# Altium PCB Printing.PcbDoc (part 3 of 5) (continued)
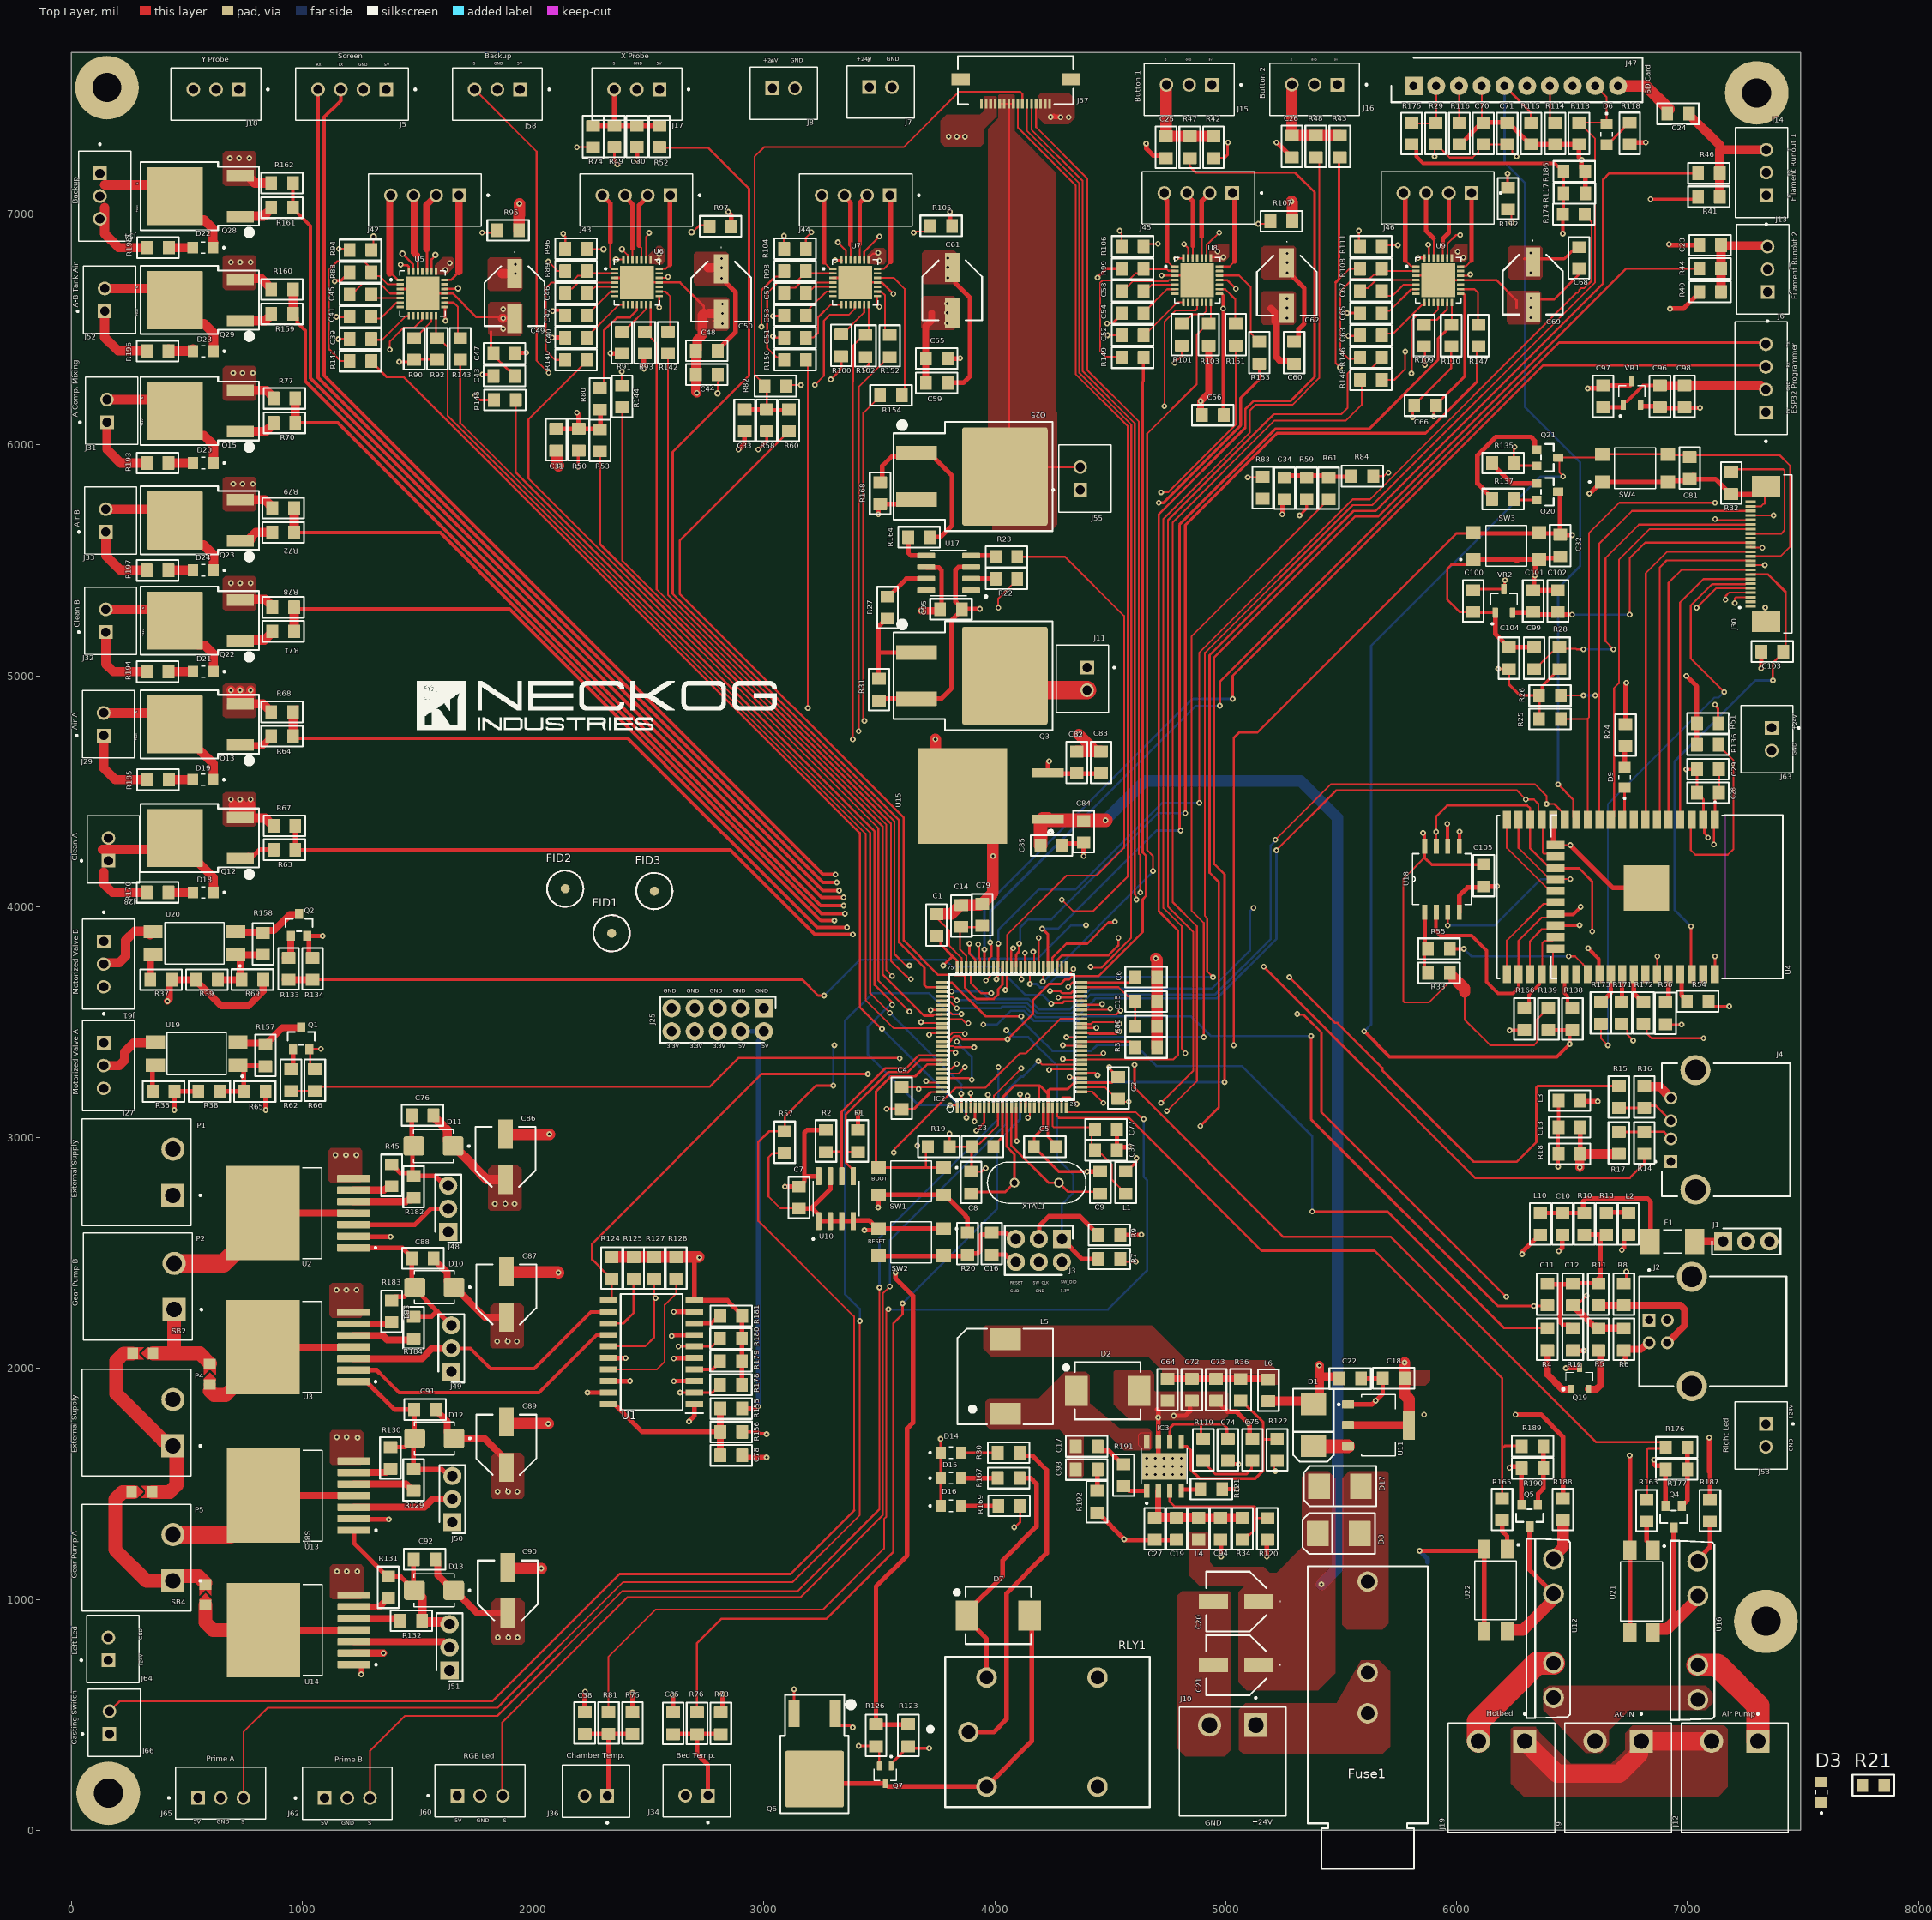
[diagram p0: Top Layer view]
## Nets (pads, with @x,y where several pads share a name; then routed paths per layer and width w, separated by ;. In a path a pad name is that pad's centre, name@x,y a point inside that pad or via, vN(x,y) a via of type N, cw(c..) or ccw(c..) an arc to the next point about the centre after c; other vN are vias at no path point) (continued)
  Top Layer w30: C59.2@3701.17,6269.33 C55.2@3701.17,6374.33 3701.17,6515.32 3726.62,6540.77 3726.62,6572.27 ; C56.2@4897.17,6129.33 4891.41,6135.09 v1(4891.41,6189.33) 4926.41,6224.33 R103.2@4926.41,6431.09 ; 5195.71,6592.27 5212.2,6575.77 5212.2,6533.91 5219.41,6526.7 5219.41,6381.25 5236.98,6363.68 5285.82,6363.68 C60.2@5296.41,6353.09
  Top Layer w40: v1(691,4937) 692.42,4935.58 692.42,4883.59 697.02,4878.98 Q13.3@731.47,4878.98 ; 701,4441.96 702.42,4440.54 702.42,4388.55 707.02,4383.94 Q12.3@741.47,4383.94 ; v1(731,4937) 731,4879.45 Q13.3@731.47,4878.98 ; Q29.3@731.47,6717.08 736.08,6721.68 805.69,6721.68 806,6722 821.2,6722 865.33,6677.87 R160.2@865.33,6673.93 ; Q28.3@731.47,7167.39 765.92,7167.39 770.53,7162.79 770.53,7158.31 793.96,7134.87 R162.2@865.33,7134.87 ; Q22.3@736.47,5328.5 739.98,5332 839.43,5332 870.33,5301.09 R78.2@870.33,5297.16 ; Q23.3@736.47,5762.63 838.6,5762.63 870.33,5730.9 R79.2@870.33,5726.96 ; 741,4441.96 741,4384.41 Q12.3@741.47,4383.94 ; Q15.3@741.47,6236.38 844.77,6236.38 875.33,6205.82 R77.2@875.33,6201.88 ; 775.92,4443.4 Q12.3@775.92,4383.94 ; v1(776,4937) 776,4923.51 770.53,4918.03 770.53,4883.59 Q13.3@765.92,4878.98 ; R68.2@865.33,4843.69 865.33,4847.63 859.74,4853.22 855.8,4853.22 830.04,4878.98 Q13.3@765.92,4878.98 ; R67.2@875.33,4348.65 875.33,4352.59 869.74,4358.18 865.8,4358.18 840.04,4383.94 Q12.3@775.92,4383.94 ; D13.A@1486.09,1038.83 1489.43,1038.83 1519.51,1008.75 R132.1@1519.51,906.98 1519.51,906.82 1525.1,901.23 1642.15,901.23 J51.3@1647.9,895.48 ; v1@1866.86,6548.33 v1(1870.37,6548.33) ; v1(2710,6225) 2705.17,6229.83 C44.2@2705.17,6305.33 C48.2@2705.17,6408.33 2710.76,6413.92 2710.76,6454.68 2732.41,6476.33 2732.41,6562.9 2739.41,6569.9 ; 2762.86,6570.33 v1(2820.41,6570.33) ; v1(6533.35,2871.53) 6533.35,2927.1 R18.1@6536.24,2930 ; R18.1@6557.37,2929.88 6702.88,2929.88 R17.1@6703,2929.76 ; R16.1@6813,3223.24 6816.24,3220 6879.76,3220 J4.04@6928.31,3171.46 ; C96.2@6881.2,6257.72 6881.57,6257.34 C98.1@6986.85,6257.34 ; C98.1@6987.22,6257.72 7317.04,6257.72 7334.76,6240 J6.2@7340,6240 ; Q13.3@731.47,4878.98 Q13.3@765.92,4878.98 ; Q12.3@741.47,4383.94 Q12.3@775.92,4383.94
  Top Layer w50: SB2.1@265.12,2064.41 SB2.1@265.71,2065 ; P4.1@394.8,1690.2 414.8,1690.2 P4.1@455,1650 ; C86.2@1879.78,3014.82 2069.82,3014.82 v1(2070,3015) ; C87.2@1892.78,2417.82 2107.18,2417.82 v1(2110,2415) ; C89.2@1895.78,1760.82 2064.18,1760.82 v1(2065,1760) ; C90.2@1896.78,1133.82 v1(2035.76,1133.82) ; R95.1@1938.65,6930.33 1938.65,6995 1940,6996.35 v1(1940,7045) ; C31.2@2096.06,5975.51 C31.2@2100,5975.51 2103.94,5975.51 2104.53,5974.92 2104.53,5915.47 v1(2110,5910) ; R124.1@2340,2482.24 R125.1@2435,2482.24 R127.1@2525,2482.24 R128.1@2620,2482.24 v1@2717.76,2482.24 ; v1(3741.97,4725) 3741.97,4597.95 U15.3@3859.92,4480 3991.97,4347.95 v1(3991.97,4220) 3991.97,4059.21 3949.53,4016.77 3949.53,4012.83 3948.94,4012.24 C79.1@3945,4012.24 3941.06,4012.24 3936.06,4007.24 C14.1@3855,4007.24 3851.06,4007.24 3812.15,3968.33 3747.34,3968.33 C1.2@3746.75,3967.74 ; C82.1@4355,4672.24 C83.1@4460,4672.24 4459.41,4672.83 4437.17,4672.83 v1(4365,4745) ; v1(4696.75,3776.5) 4702.42,3770.83 C6.2@4702.42,3695.5 C15.1@4702.42,3588.86 4702.33,3588.77 4702.33,3390.09 R3.2@4702.24,3390 ; v1(5285,7055) 5288.41,7051.59 R107.1@5288.41,6969.33 ; J47.10@6699.56,7555.28 6819.72,7555.28 C24.2@6920.9,7454.1
  Top Layer w60: SB2.1@265.12,2064.41 226.65,2064.41 195,2032.76 195,1890 P4.1@394.8,1690.2 ; SB4.1@349.29,1465 425.71,1465 455,1494.29 P4.1@455,1650
  Bottom Layer w20: v1(5840,1210) 5875,1175 5875,1160
  other v1: 2720,2480 691,4465 731,4465 776,4465 691,5402 731,5402 776,5402 701,5832 741,5832 786,5832 701,6312 741,6312 786,6312 1870.37,6503.33 2820.41,6525.33 3793.41,6527.33 5265.41,6549.33 6321.5,6551.33 3793.41,6572.33 1870.37,6588.33 5265.41,6594.33 6321.5,6596.33 2820.41,6610.33 3793.41,6612.33 5265.41,6634.33 6321.5,6636.33 691,6792 731,6792 776,6792 686,7242 726,7242 771,7242 3800,7335 3870,7335
  other v2: 4657.7,1540.77 4695.1,1540.77 4732.5,1540.77 4769.9,1540.77 4807.3,1540.77 4657.7,1576.2 4695.1,1576.2 4769.9,1576.2 4807.3,1576.2 4657.7,1611.63 4695.1,1611.63 4732.5,1611.63 4769.9,1611.63 4807.3,1611.63
HEATER: IC2.4 R22.1 | length 2926.3
  Top Layer w8: v1(3895,3192) 3895.23,3191.77 3895.23,3130.1 IC2.4@3895.45,3129.87 ; v1(4015,5295) 4015,5334.82 4097.24,5417.06 R22.1@4097.24,5421
  Top Layer w10: IC2.4@3895.45,3129.87 IC2.4@3896.1,3130.52
  24V w8: v1(3895,3192) 3937,3150 4260,3150 4347.45,3237.45 4347.45,3660.78 4316.5,3691.73 4316.5,3813.27 4318.5,3815.27 4318.5,4131.5 4015,4435 v1(4015,5295)
HEATER2: IC2.35
HOTBED: IC2.23 R165.2 R189.1 | length 3121.6
  Top Layer w10: IC2.23@4269.47,3129.87 4269.47,3092.88 4277.34,3085 4580,3085 5155,2510 5645,2510 6197,1958 6197,1576.28 ; R165.2@6197,1436.49 6197,1651.28 6208.72,1663 ; 6208.72,1665 6279.76,1665 R189.1@6281.76,1663
HOTEND: J55.2 J57.9 J57.10 J57.11 J57.12 Q25.TAB | length 2022.9
  Top Layer w8: Q25.TAB@4043.86,5863.64 4060.47,5880.25 4084.43,5904.21 J55.2@4370,5904.21
  Top Layer w10: J57.12@4021.1,7477.64 J57.11@4040.79,7477.64 J57.10@4060.47,7477.64 ; Q25.TAB@4043.86,5863.64 4060.47,5880.25 J57.10@4060.47,7477.64 ; J57.9@4080.16,7477.64 J57.10@4060.47,7477.64
HS2_DATA0: U4.24 | length 115
  Top Layer w8: U4.24@6417.91,3705.79 6417.91,3805.91 U4.24@6428.43,3816.43
HS2_DATA1: U4.26
I2C_SCL: IC2.92 R2.1 U10.6 | length 880.2
  Top Layer w10: R2.1@3268.33,2940.07 3336.32,2940.07 ; U10.6@3336.75,2832.74 3336.75,2940.5 3336.32,2940.07 ; IC2.92@3767.5,3356.25 3671.25,3356.25 3615,3300 3525,3300 3336.32,3111.32 3336.32,2940.07
I2C_SDA: IC2.93 R1.1 U10.5 | length 845.9
  Top Layer w10: U10.5@3386.75,2832.74 3386.75,2859.71 3353.75,2892.71 3353.75,2940.5 ; R1.1@3406.75,2938.26 3355.99,2938.26 3353.75,2940.5 ; IC2.93@3767.5,3336.56 3676.56,3336.56 3623,3283 3538,3283 3353.75,3098.75 3353.75,2940.5
IN22: IC2.52 R127.2 U1.15 | length 3872.6
  Top Layer w8: U1.15@2327,2095.26 2485.26,2095.26 2525,2135 v1@2525,2310 ; R127.2@2525,2387.76 v1@2525,2310 ; v1(2530,2305) v1@2525,2310 ; IC2.52@4289.15,3740.11 4291.45,3737.81 4291.45,3712.01 4297.98,3705.48 4312.86,3705.48 4319.69,3705.48 4340,3725.79 v1(4340,3730)
  24V w8: v1(2530,2305) 4330,2305 4425,2400 4425,3205 4400,3230 4400,3680 4376.63,3703.37 4366.63,3703.37 v1(4340,3730)
INH11: J48.2 U1.16 U2.3 | length 1547.9
  Top Layer w20: U2.3@1221.91,2622.68 1487.68,2622.68 1556.98,2691.98 J48.2@1632.27,2691.98 ; U1.16@2327,2045.26 2327.13,2045.13 2399.87,2045.13 v1(2400,2045)
  5v/3.3V w20: J48.2@1632.27,2691.98 1753.02,2691.98 v1(2400,2045)
INH12: J49.2 U1.12 U3.3 | length 1261.1
  Top Layer w10: U1.12@2327,2245.26 U1.12@2327.5,2245.77
  Top Layer w15: J49.2@1645.93,2086.46 1728.54,2086.46 1815,2000 2005,2000 2250.26,2245.26 U1.12@2327,2245.26
  Top Layer w30: U3.3@1222.31,2042.37 1517.66,2042.37 1561.56,2086.27 1645.73,2086.27 J49.2@1645.93,2086.46
INH21: J50.2 U1.7 U13.3 | length 2084.4
  Top Layer w20: 1368.27,1399.06 1369.27,1400.06 ; v1(2600,2140) 2605.26,2145.26 U1.7@2699.04,2145.26
  Top Layer w30: U13.3@1223.88,1399.06 1368.27,1399.06 1529.35,1399.06 1564.39,1434.1 J50.2@1650.26,1434.1
  5v/3.3V w15: J50.2@1650.26,1434.1 2404.1,1434.1 2555,1585 2555,2095 v1(2600,2140)
INH22: J51.2 U1.3 U14.3 | length 2399
  Top Layer w20: 1396.27,816.98 1402.27,810.98 ; v1@2615.02,1944.27 2616.02,1945.26 U1.3@2699.04,1945.26
  Top Layer w30: U14.3@1223.88,816.98 1396.27,816.98 1613.21,816.98 1634.71,795.48 J51.2@1647.9,795.48
  5v/3.3V w15: J51.2@1638,792 2182,792 2609.02,1219.02 v1(2609.02,1944.27)
LED: IC2.9 J57.8 | length 4957
  Top Layer w8: IC2.9@3993.88,3129.87 3996.18,3132.17 3996.18,3181.18 v1(4115,3300) ; J57.8@4099.84,7477.64 4099.84,7375.16 4350,7125 4350,6307.57 4575,6082.57 4575,4130 4425,3980 4340,3980 v1(4290,4030)
  24V w8: v1(4115,3300) 4215,3400 4215,3480 4298,3563 4298,3640.15 4294.69,3643.46 4294.69,3743.84 4271.5,3767.03 4271.5,3911.08 4290,3929.58 v1(4290,4030)
LED1: D9.K U4.9 | length 142.5
  Top Layer w10: U4.9@6718.41,4376.99 6728.13,4386.72 D9.K@6728.13,4515.43
MOS_1: IC2.63 R62.1 R66.1 | length 3841.7
  Top Layer w10: R62.1@950.84,3201.52 R66.1@1054.39,3201.52 1073.7,3220.83 2765.83,3220.83 2890,3345 3585.35,3345 v1(3587.68,3342.68) ; IC2.63@4072.62,3740.11 4071.32,3741.41 4071.32,3811.32 4079.5,3819.5 v1(4079.5,3819.85)
  24V w10: v1(3587.68,3342.68) 3588.5,3343.5 3897.34,3343.5 3934.5,3380.66 3934.5,3400.95 3909.75,3425.71 3909.75,3458.64 3915.6,3464.5 3981.61,3464.5 4045.35,3400.76 4065.65,3400.76 4080,3415.11 4080,3819.35 v1(4079.5,3819.85)
MOS_2: IC2.58 R63.1 R67.1 | length 3594.4
  Top Layer w8: v1(4166.5,3805) 4170.52,3800.98 4170.52,3740.63 IC2.58@4171.04,3740.11
  Top Layer w15: R63.1@969.82,4247.08 2852.92,4247.08 3220,3880 v1(3385,3880) ; R67.1@969.82,4350.62 R67.1@983.1,4337.34
  Top Layer w20: R63.1@969.82,4247.08 R67.1@969.82,4350.62
  5v/3.3V w10: v1(3385,3880) 4130,3880 4170,3840 4170,3826.21 4168.41,3824.62 4168.41,3806.91 v1(4166.5,3805)
MOS_3: IC2.57 R64.1 R68.1 | length 3853.9
  Top Layer w8: v1(4190,3865) 4190.36,3864.64 4190.36,3740.47 IC2.57@4190.73,3740.11
  Top Layer w12: R68.1@959.82,4843.69 959.82,4847.63 R68.1@979.41,4867.22 ; IC2.57@4190.73,3740.11 IC2.57@4191.03,3740.41
  Top Layer w15: R64.1@959.82,4739.36 969.18,4730 2410,4730 3230,3910 v1(3360,3910)
  Top Layer w40: R64.1@959.82,4739.36 R68.1@959.82,4843.69
  5v/3.3V w10: v1(3360,3910) 4145,3910 v1(4190,3865)
MOS_4: IC2.46 R133.1 R134.1 | length 3628.5
  Top Layer w10: R134.1@1029.39,3683.52 R134.1@1044.39,3683.52 3166.48,3683.52 3235,3615 v1(3260,3615) ; v1(4245,3580) 4247,3582 4292,3582 4299.5,3589.5 4345.06,3589.5 4346.73,3591.17 4376.44,3591.17 IC2.46@4377.73,3592.47
  Top Layer w30: R133.1@925.45,3683.52 R133.1@940.84,3683.52 R134.1@1029.39,3683.52
  Bottom Layer w10: v1(3260,3615) 3414.76,3769.76 3786.66,3769.76 3816.41,3740 4010,3740 4132.5,3617.5 4207.5,3617.5 v1(4245,3580)
MOS_5: IC2.44 R71.1 R78.1 | length 4560.2
  Top Layer w8: IC2.44@4377.73,3553.1 4378.68,3554.05 4495.55,3554.05 v1(4500,3558.5)
  Top Layer w15: R78.1@964.82,5297.16 971.98,5290 1896.39,5290 3246.39,3940 v1(3305,3940)
  Top Layer w40: R71.1@964.82,5192.83 R78.1@964.82,5297.16
  5v/3.3V w10: v1(3305,3940) 4248.23,3940 4500,3688.23 v1(4500,3558.5)
MOS_6: IC2.43 R72.1 R79.1 | length 4786.5
  Top Layer w8: IC2.43@4377.73,3533.41 4526.94,3533.41 4543.52,3550 v1(4545,3550)
  Top Layer w15: R72.1@964.82,5621.45 1597.44,5621.45 3248.89,3970 v1(3350,3970)
  Top Layer w40: R72.1@964.82,5621.45 R79.1@964.82,5726.96
  5v/3.3V w10: v1(3350,3970) 4242.27,3970 4545,3667.27 v1(4545,3550)
MOS_7: IC2.41 R70.1 R77.1 | length 5067.8
  Top Layer w8: IC2.41@4377.73,3494.04 4380.03,3491.74 4401.96,3491.74 4402.04,3491.66 4416.66,3491.66 4425,3500 4528.11,3500 4535.4,3492.71 v1(4540,3492.71)
  Top Layer w15: R70.1@969.82,6095.98 1154.02,6095.98 3245,4005 v1(3345,4005)
  Top Layer w40: R70.1@969.82,6095.98 R77.1@969.82,6201.88
  5v/3.3V w10: v1(3345,4005) 4231.31,4005 4569.5,3666.81 4569.5,3522.21 v1(4540,3492.71)
MOS_8: IC2.39 R159.1 R160.1 | length 5475.1
  Top Layer w10: IC2.39@4377.73,3454.67 4379.03,3453.37 4401.88,3453.37 4401.97,3453.29 4406.33,3453.29 4409.61,3450 4526.64,3450 4536.14,3459.5 v1(4540,3459.5)
  Top Layer w15: R159.1@959.82,6567.63 977.91,6549.54 977.91,6530.6 1013,6495.51 1013,6277 3250,4040 v1(3345,4040)
  Top Layer w40: R159.1@959.82,6567.63 R160.1@959.82,6673.93
  5v/3.3V w10: v1(3345,4040) 4220.35,4040 4586.5,3673.85 4586.5,3501.5 4563.69,3478.69 4560.63,3478.69 4541.44,3459.5 v1(4540,3459.5)
MOS_9: IC2.60 R161.1 R162.1 | length 5209.4
  Top Layer w10: v1(4130,3800) 4130.84,3799.17 4130.84,3740.94 IC2.60@4131.67,3740.11
  Top Layer w15: R162.1@959.82,7134.87 R161.1@959.82,7028.18 959.82,7024.24 1035,6949.06 1035,6290 3255,4070 v1(3325,4070)
  24V w10: v1(3325,4070) 4110,4070 4130,4050 v1(4130,3800)
MT_DET1: IC2.29 R44.1 | length 5377.3
  Top Layer w10: v1(4323.95,3262.35) 4327.1,3259.21 IC2.29@4361.75,3259.21 ; v1(4995,3240) 4995,4140 4950,4185 4950,5080 5560,5690 5660,5690 6734.51,6764.51 R44.1@7051.51,6764.51
  Bottom Layer w10: v1(4323.95,3262.35) 4346.31,3240 v1(4995,3240)
MT_DET2: IC2.5 R46.1 | length 6383.4
  Top Layer w10: v1(3911.75,3070.5) 3913.84,3072.59 3913.84,3128.57 IC2.5@3915.14,3129.87 ; v1(4890,3050) 4970,3130 4970,4107.5 4930,4147.5 4930,5090 5555,5715 5650,5715 6635,6700 6635,7150 6661.68,7176.68 R46.1@7045.9,7176.68 R46.1@7044.22,7175
  5v/3.3V w10: v1(3911.75,3070.5) 3915.38,3070.5 3935.88,3050 v1(4890,3050)
NetC11_1: C11.1 C12.1 R10.1 R11.1 R12.1 R13.2 | length 740.7
  Top Layer w20: C11.1@6403,2365.49 6404.12,2364.37 6448,2364.37 ; R12.1@6503.47,2173.24 6488.93,2187.78 6461.22,2187.78 6448,2201 6448,2364.37 ; C12.1@6518,2363.24 6516.88,2364.37 6448,2364.37 ; C12.1@6518,2368.24 6518.51,2368.76 6619.84,2368.76 R11.1@6620.35,2369.27 ; R10.1@6548,2578.76 6549.36,2580.11 6624.36,2580.11 6630.52,2573.95 6623,2566.43 R11.1@6623,2389.73 ; R11.1@6613.47,2388.83 R11.1@6626.69,2375.61
NetC13_2: C13.2 J4.01 L3.2 R18.2 | length 821.9
  Top Layer w15: v1(6440,2874) 6440,3043.24 6442,3045.24 6442,3159.76 L3.2@6441.76,3160
  5v/3.3V w15: v1(6440,2874) 6440,2876.71 6459.39,2896.1 6459.39,2909.39 6480,2930 6595,2930 6629.13,2895.87 J4.01@6928.31,2895.87
NetC17_1: C17.1 R191.2 | length 147.3
  Top Layer w20: C17.1@4444.74,1662.5 4444.74,1658.56 4460.33,1642.97 4495.33,1642.97 4553.56,1584.74 R191.2@4557.5,1584.74
NetC17_2: C17.2 C93.1 D2.K IC3.8 L5.1
NetC19_2: C19.2 C27.2 C94.2 IC3.2 L4.2 R34.2 | length 502
  Top Layer w10: C27.2@4692.5,1354.74 C27.2@4706.99,1369.23
  Top Layer w25: C27.2@4706.99,1369.23 IC3.2@4706.99,1473.84
  Top Layer w40: C27.2@4692.5,1354.74 4787.5,1354.74 4882.5,1354.74 4883.62,1353.62 4971.38,1353.62 4972.5,1352.5 4973.62,1353.62 5066.38,1353.62 R34.2@5067.5,1354.74
NetC23_1: C23.1 J13.3 R40.2 R44.2 | length 405.8
  Top Layer w40: R40.2@7146,6663.52 R44.2@7146,6764.51 C23.1@7146,6865.49 7148.95,6862.54 7344.43,6862.54 J13.3@7347.38,6859.59
NetC24_1: C24.1 J14.3 R41.2 R46.2 | length 618.9
  Top Layer w40: C24.1@7005.28,7433.03 C24.1@7007.24,7431.06 ; C24.1@7007.24,7435 C24.1@7007.24,7431.06 ; R41.2@7140.39,7075.5 R46.2@7140.39,7176.68 7140.39,7277.86 7140.78,7278.26 ; J14.3@7341.76,7278.65 7341.37,7278.26 7140.78,7278.26 ; C24.1@7007.24,7431.06 7140.78,7297.53 7140.78,7278.26
NetC25_1: C25.1 J15.3 R42.2 R47.2 | length 433.7
  Top Layer w50: C25.1@4741.44,7337 C25.1@4741.7,7337 ; J15.3@4743.15,7565 4742.3,7564.15 4742.3,7337.59 C25.1@4741.7,7337 ; R42.2@4946.56,7337 R47.2@4844,7337 C25.1@4741.7,7337
NetC26_1: C26.1 J16.3 R43.2 R48.2 | length 428.2
  Top Layer w50: C26.1@5286.46,7340 R48.2@5390,7340 R43.2@5493.94,7340 ; C26.1@5286.46,7345 C26.1@5286.52,7345.06 ; C26.1@5286.52,7340.06 J16.3@5286.52,7560.61 ; J16.3@5286.52,7565.61 J16.3@5286.57,7565.67
NetC35_2: C35.2 J34.1 R73.1 R76.2 | length 492
  Top Layer w20: C35.2@2606.56,415.51 R76.2@2710,415.51 ; J34.1@2757.21,150 2757.21,282.79 2710,330 R76.2@2710,415.51 ; R73.1@2813.44,415.51 R76.2@2710,415.51
NetC37_2: C37.2 C77.2 IC2.22 L1.2 | length 618.9
  Top Layer w8: IC2.22@4249.78,3129.87 4249.78,3050.19 4254.47,3045.5 C77.2@4419.51,3045.5 ; C37.2@4419.51,2955.5 C77.2@4419.51,3025.5 ; C37.2@4426.63,2949.44 4419.51,2949.44 4419.51,2960.5 4428.6,2951.41 C37.2@4434.51,2945.5 ; C37.2@4432.54,2958.53 4506.75,2884.32 4506.75,2818.26 4541.22,2783.78 4541.22,2779.85 4562.81,2758.26 L1.2@4566.75,2758.26
NetC38_2: C38.2 J36.1 R75.1 R81.2 | length 480.1
  Top Layer w20: C38.2@2223.32,416.68 R81.2@2326.76,416.68 ; J36.1@2321.21,149 2326.76,154.55 R81.2@2326.76,416.68 ; R75.1@2427.95,418.94 R75.1@2430.21,416.68 R81.2@2326.76,416.68
NetC39_1: C39.1 U5.8 | length 208.6
  Top Layer w8: C39.1@1296.65,6455.57 1346.65,6455.57 1448.95,6557.87 1460.26,6557.87 1460.26,6558.63 U5.8@1461.57,6559.94
NetC40_1: C40.1 U6.8 | length 221.2
  Top Layer w8: C40.1@2231.65,6463.33 2231.65,6467.27 2372.09,6607.7 U6.8@2390.79,6607.7
NetC41_1: C41.1 U5.6 | length 156.2
  Top Layer w8: C41.1@1296.65,6547.8 1338.59,6547.8 1406.51,6615.72 1422.86,6615.72 U5.6@1424.17,6617.03
NetC42_1: C42.1 U6.6 | length 184.3
  Top Layer w8: C42.1@2223.46,6544.55 2245.06,6566.14 2245.06,6573.98 2334.55,6663.47 2352.07,6663.47 U6.6@2353.39,6664.79
NetC45_1: C45.1 U5.4 | length 259.4
  Top Layer w8: C45.1@1204.92,6647.27 1226.51,6668.86 1231.08,6668.86 1262.56,6700.33 1336.41,6700.33 1380.34,6656.4 U5.4@1424.17,6656.4
NetC45_2: C45.2 U5.5 | length 126.1
  Top Layer w8: C45.2@1299.41,6640.04 1302.73,6636.72 U5.5@1424.17,6636.72
NetC46_1: C46.1 U6.4 | length 251.7
  Top Layer w8: C46.1@2128.98,6644.08 2128.98,6648.21 2158.76,6677.99 2170.07,6677.99 2196.24,6704.16 U6.4@2353.39,6704.16
NetC46_2: C46.2 U6.5 | length 152.3
  Top Layer w8: C46.2@2223.46,6636.05 2223.46,6639.98 2267.95,6684.47 U6.5@2353.39,6684.47
NetC51_1: C51.1 U7.8 | length 252.4
  Top Layer w8: C51.1@3181.65,6464.69 3183.45,6466.48 3214.56,6466.48 3234.41,6486.33 3234.41,6553.33 3288.78,6607.7 U7.8@3335.59,6607.7
NetC52_1: C52.1 U8.8 | length 237
  Top Layer w8: C52.1@4644.45,6468.37 4644.45,6472.31 4789.84,6617.7 U8.8@4817.28,6617.7
NetC53_1: C53.1 U7.6 | length 170.7
  Top Layer w8: C53.1@3181.65,6558.33 3198.64,6575.32 3198.64,6592.56 3270.87,6664.79 U7.6@3298.19,6664.79
NetC54_1: C54.1 U8.6 | length 181.3
  Top Layer w8: C54.1@4644.45,6569.55 4644.45,6573.49 4745.75,6674.79 U8.6@4779.88,6674.79
NetC57_1: C57.1 U7.4 | length 241
  Top Layer w8: C57.1@3087.17,6652.27 3087.17,6660.05 3108.76,6681.64 3135.98,6681.64 3152.26,6697.92 3152.46,6697.92 3158.69,6704.16 U7.4@3298.19,6704.16 ; C57.1@3089.92,6633.33 C57.1@3089.92,6637.27
NetC57_2: C57.2 U7.5 | length 132.2
  Top Layer w8: C57.2@3184.41,6633.33 C57.2@3184.41,6637.27 ; C57.2@3184.41,6652.76 3184.41,6655.02 3203.24,6673.86 3205.51,6673.86 3216.13,6684.47 U7.5@3298.19,6684.47
NetC58_1: C58.1 U8.4 | length 251.5
  Top Layer w8: C58.1@4549.92,6662.27 4597.98,6710.33 4749.41,6710.33 4753.24,6714.16 U8.4@4779.88,6714.16
NetC58_2: C58.2 U8.5 | length 152.7
  Top Layer w8: C58.2@4644.41,6658.33 4644.41,6662.27 4666,6683.86 4669.94,6683.86 4680.55,6694.47 U8.5@4779.88,6694.47
NetC63_1: C63.1 U9.8 | length 254.2
  Top Layer w8: C63.1@5676.65,6463.33 5695.65,6482.33 5726.01,6482.33 5850.65,6606.97 5860.06,6606.97 5861.38,6608.29 U9.8@5861.38,6617.7
NetC64_2: C64.2 C72.2 C73.2 L5.2 L6.1 R36.2 | length 437
  Top Layer w30: C64.2@4747.97,1954.55 C72.2@4853.17,1954.55 C73.2@4958.37,1954.55 L6.1@5185,1954.55
NetC65_1: C65.1 U9.6 | length 195.9
  Top Layer w8: C65.1@5676.65,6558.33 5676.65,6558.89 5698.24,6580.48 5709.56,6580.48 5803.2,6674.12 5823.31,6674.12 U9.6@5823.98,6674.79
NetC67_1: C67.1 U9.4 | length 276.6
  Top Layer w8: C67.1@5582.24,6646.05 5595.27,6659.07 5595.27,6670.38 5603.83,6678.95 5615.15,6678.95 5650.35,6714.16 U9.4@5823.98,6714.16
NetC67_2: C67.2 U9.5 | length 167.3
  Top Layer w8: C67.2@5676.73,6646.05 5722.13,6646.05 5770.55,6694.47 U9.5@5823.98,6694.47
NetC74_2: C74.2 IC3.6 R119.2 | length 437
  Top Layer w12: IC3.6@4757.5,1682.5 4757.5,1742.5 4772.5,1757.5 4892.5,1757.5 ; R119.2@4892.85,1695.45 4892.85,1757.15 4892.5,1757.5 ; C74.2@5005.5,1687.5 5005.5,1741.5 4989.5,1757.5 4892.5,1757.5
NetC75_2: C75.2 R119.1 | length 290.1
  Top Layer w12: R119.1@4882.85,1605.96 R119.1@4886.79,1605.96 ; R119.1@4896.79,1600.96 4955.26,1542.5 5090.5,1542.5 5111.69,1563.69 5111.69,1596.12 C75.2@5115.83,1600.26
NetC78_1: C78.1 R155.2 R156.1 U1.20 | length 710.9
  Top Layer w20: U1.20@2352.59,1845.26 2472.78,1725.07 R156.1@2810.98,1725.07
  Top Layer w30: C78.1@2810.98,1623.5 R156.1@2810.98,1725.07 R155.2@2810.98,1826.25
NetC93_2: C93.2 R192.2 | length 93.7
  Top Layer w20: R192.2@4442.5,1469.74 4443.62,1470.87 4443.62,1561.38 C93.2@4444.74,1562.5
NetD1_1: D1.1 U11.3 | length 150.4
  Top Layer w60: D1.1@5380.1,1663.33 5380.49,1663.72 U11.3@5530.3,1663.72
NetD3_A: D3.A R21.1
NetD6_A: D6.A R118.2 | length 142
  Top Layer w10: D6.A@6650,7300.71 6652.95,7300.71 6725.47,7373.23 6725.47,7376.65 6746.06,7397.24 R118.2@6750,7397.24
NetD7_A: D7.A Q6.TAB Q7.3 RLY1.2 | length 1590.2
  Top Layer w20: Q6.TAB@3219.21,221.54 3238.94,201.81 Q7.3@3525,201.81 3525,192.48 3525.16,192.32 3534.49,192.32 3538.03,188.78 RLY1.2@3964.21,188.78 4160,384.57 4160,920.83 D7.A@4150.83,930
NetD8_2: D8.2 D17.2 Fuse1.2
NetD9_A: D9.A R24.2 | length 84.7
  Top Layer w20: D9.A@6728.13,4604.01 6728.5,4604.38 6728.5,4684.14 R24.2@6728.87,4684.51 ; R24.2@6728.13,4689.47 R24.2@6732.07,4689.47
NetD14_A: D14.A R30.1 | length 158.5
  Top Layer w10: D14.A@3854.29,1635 R30.1@4012.76,1635
NetD15_A: D15.A R167.1 | length 158.5
  Top Layer w20: D15.A@3854.29,1525 R167.1@4012.76,1525
NetD16_A: D16.A R169.1 | length 160.7
  Top Layer w20: D16.A@3854.29,1405 R169.1@4015,1405
NetD18_A: D18.A R170.1 | length 106.5
  Top Layer w40: R170.1@420.24,4062 D18.A@526.71,4062